# KiCad board Notecarrier-F.kicad_pcb
title: Notecarrier-F; date: 2023-07-18; rev: B; company: Blues Inc  (Copyright (c) 2023 Blues Inc); note: Company: Empirical.EE; note: Drawn by: Heath Raftery
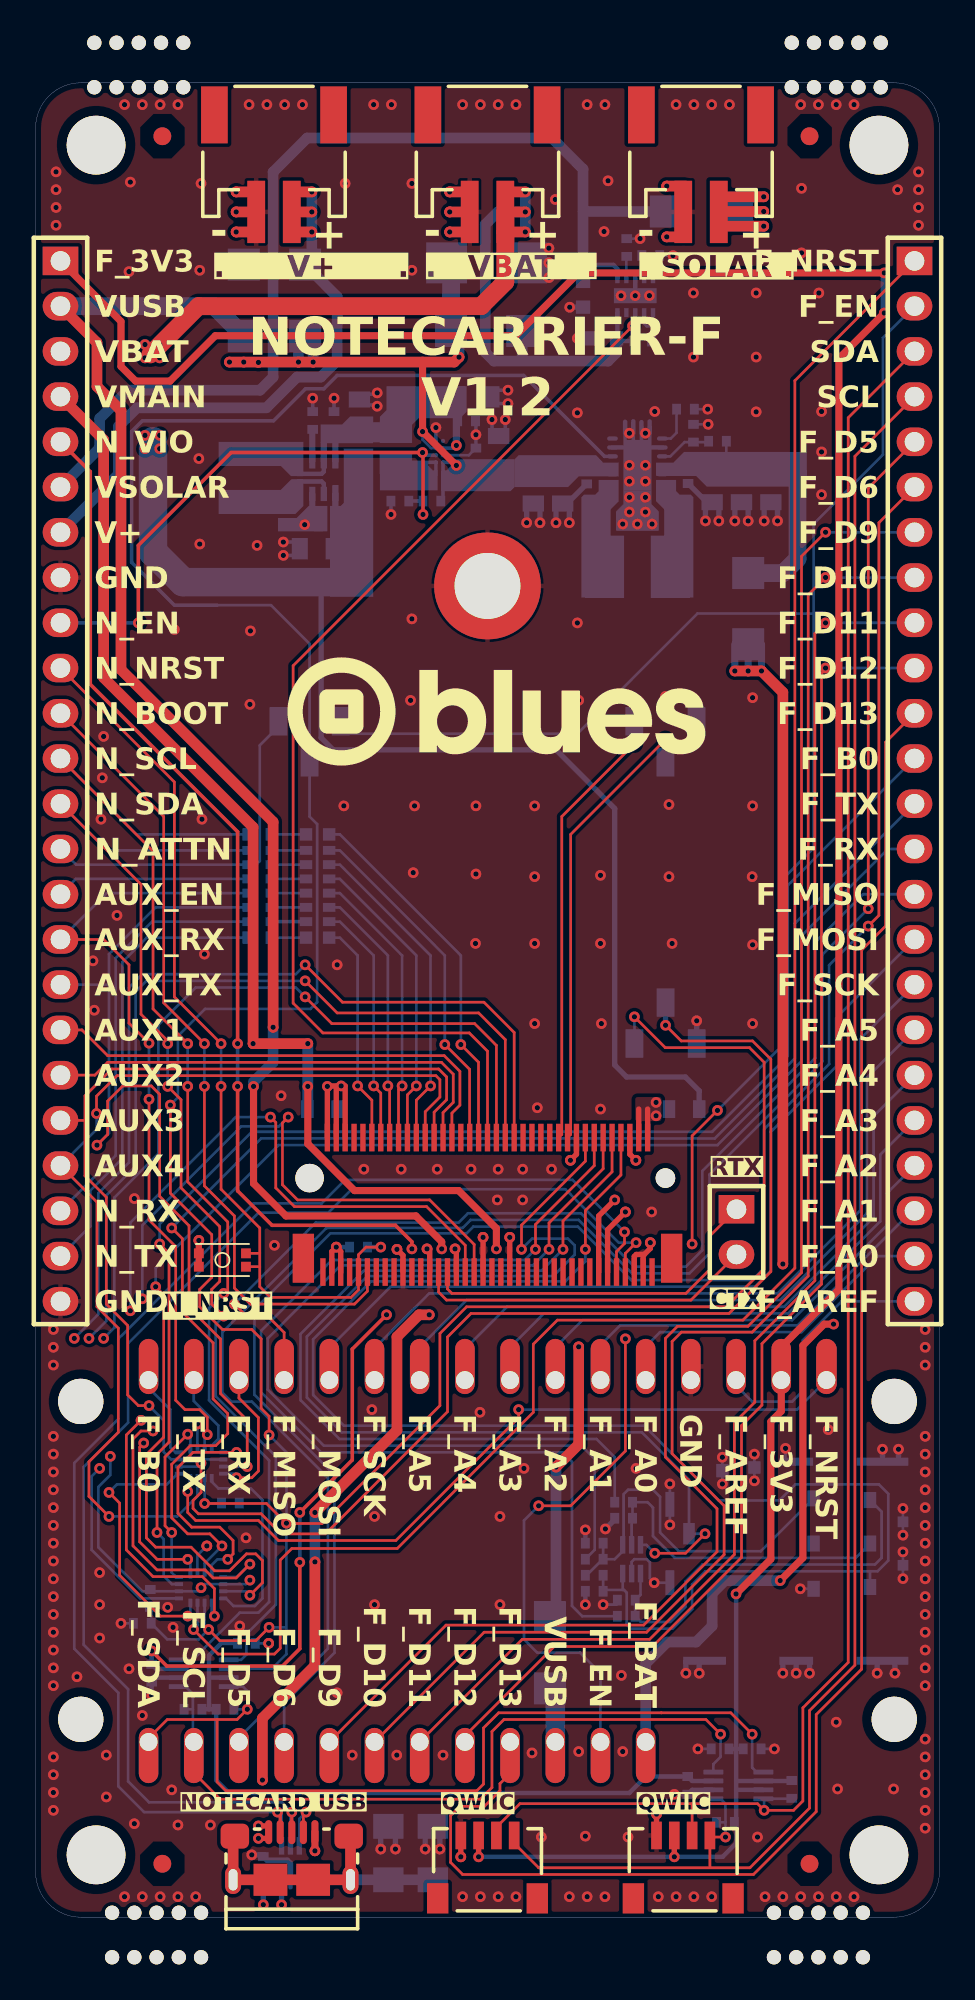
[diagram p0: board, top side]
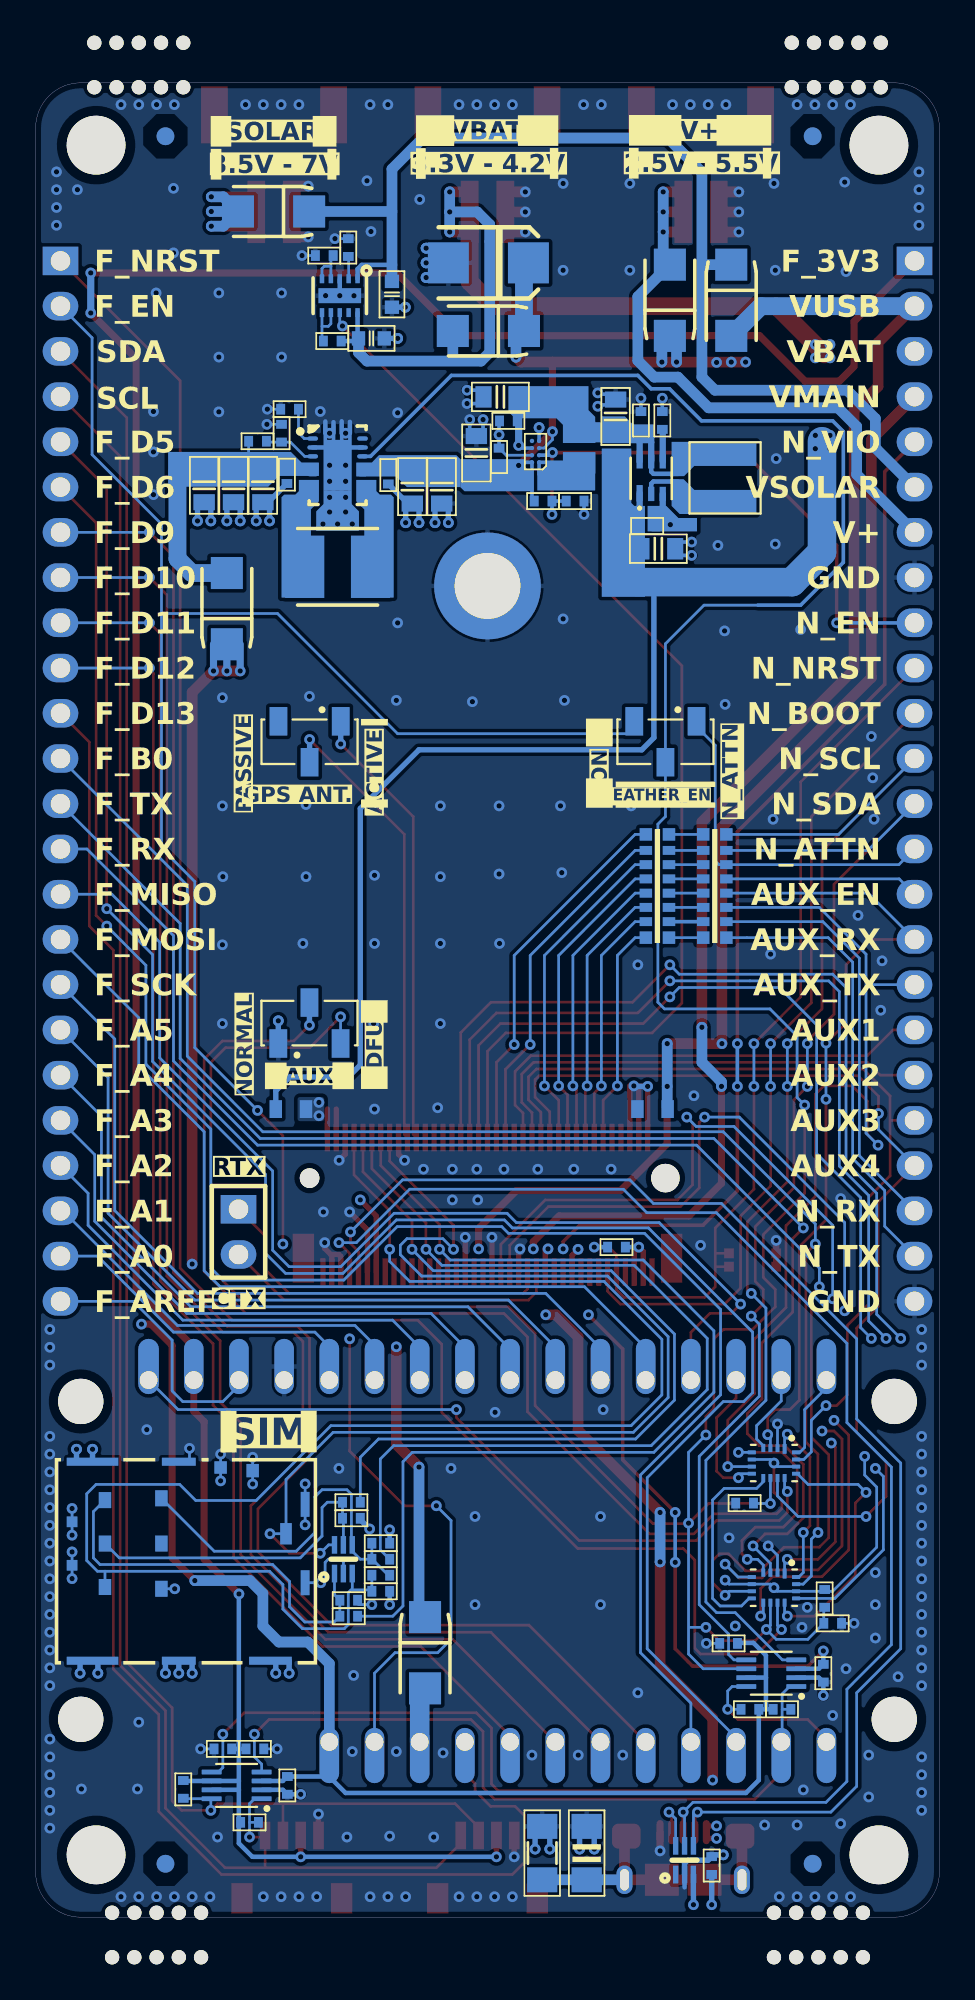
[diagram p1: board, bottom side, seen from below]

Outline 50.8 x 103 mm; copper layers: Top, In1.Cu, In2.Cu, Bottom. Coordinates in mm from the lower left corner of the outline.
Outline path: 0,100.46 arc(0.74,102.26) 2.54,103 48.26,103 arc(50.06,102.26) 50.8,100.46 50.8,2.54 arc(50.06,0.74) 48.26,0 2.54,0 arc(0.74,0.74) 0,2.54 0,100.46
Stack: Top 0.035mm / dielectric 0.1mm FR4-TG140 er 4.2 / In1.Cu 0.0175mm / dielectric 1.265mm FR4-TG140 er 4.2 / In2.Cu 0.0175mm / dielectric 0.1mm FR4-TG140 er 4.2 / Bottom 0.035mm

## Placement (name value [footprint] x y rotation side)
C1  1µF  [C-0603_Fv1.2]  30.77 91.12 90 bottom
C2  1µF  [C-0603_Fv1.2]  31.92 88.65 0 bottom
C3  0.1µF  [C-0402_Fv1.2]  12.8 2.9 90 bottom
C4  10nF/1000V  [C-1206_Fv1.2]  19.83 3.6 90 bottom
C5  0.1µF  [C-0402_Fv1.2]  31.4 18.3 0 bottom
C6  33pF  [C-0402_Fv1.2]  33.05 22.4 0 bottom
C7  33pF  [C-0402_Fv1.2]  33.2 17.8 0 bottom
C8  33pF  [C-0402_Fv1.2]  31.4 21 0 bottom
C9  0.1µF  [C-0402_Fv1.2]  18.15 37.62 0 bottom
C10  0.1µF  [C-0402_Fv1.2]  10.95 23.25 180 bottom
C11  0.1µF  [C-0402_Fv1.2]  36.65 7.4 270 bottom
C12  0.1µF  [C-0402_Fv1.2]  38.47 9.45 180 bottom
C13  0.1µF  [C-0402_Fv1.2]  6.52 13.7 270 bottom
C14  0.1µF  [C-0402_Fv1.2]  11.85 15.38 0 bottom
C15  0.1µF  [C-0402_Fv1.2]  6 16.5 0 bottom
C16  22µF  [C-0805_Fv1.2]  29.62 80.33 90 bottom
C17  22µF  [C-0805_Fv1.2]  27.97 80.33 90 bottom
C18  0.1µF  [C-0402_Fv1.2]  36.53 84.67 180 bottom
C19  0.1µF  [C-0402_Fv1.2]  16.42 78.11 0 bottom
C20  22µF  [C-0805_Fv1.2]  24.67 85.36 0 bottom
C21  22µF  [C-0805_Fv1.2]  18.2 84.27 270 bottom
C22  22µF  [C-0805_Fv1.2]  41.33 80.4 270 bottom
C23  22µF  [C-0805_Fv1.2]  38.03 80.4 270 bottom
C24  22µF  [C-0805_Fv1.2]  39.67 80.4 270 bottom
C25  0.1µF  [C-0402_Fv1.2]  36.67 81 90 bottom
C26  0.1µF  [C-0402_Fv1.2]  24.75 81.99 90 bottom
C27  22µF  [C-0805_Fv1.2]  26.03 82.22 270 bottom
C28  0.1µF  [C-0402_Fv1.2]  16.78 84.04 270 bottom
C29  22µF  [C-0805_Fv1.2]  15.8 76.84 0 bottom
C30  0.1µF  [C-0402_Fv1.2]  30.97 80.97 90 bottom
C31  0.1µF  [C-0402_Fv1.2]  20.47 79.52 180 bottom
C32  0.1µF  [C-0402_Fv1.2]  24.22 84.02 180 bottom
DS1  B360A-13-F  [DO-214AC SMA_Fv1.2]  15.15 90.79 270 bottom
DS2  B360A-13-F  [DO-214AC SMA_Fv1.2]  25.35 89.06 180 bottom
DS3  B360A-13-F  [DO-214AC SMA_Fv1.2]  11.7 90.79 90 bottom
DS4  B360A-13-F  [DO-214AC SMA_Fv1.2]  37.42 95.78 180 bottom
DS5  B360A-13-F  [DO-214AC SMA_Fv1.2]  40.05 73.47 270 bottom
DS6  B360A-13-F  [DO-214AC SMA_Fv1.2]  28.91 14.85 90 bottom
F1  F1.5A  [FS-0603_Fv1.2]  36.45 45.38 180 bottom
F2  046703.5NR  [FS-0603_Fv1.2]  16.12 45.38 0 bottom
FID1  TPS  [Fiducial mark 1mm_Fv1.2]  43.5 100 0 top
FID2  TPS  [Fiducial mark 1mm_Fv1.2]  7.12 100 0 top
FID3  TPS  [Fiducial mark 1mm_Fv1.2]  43.5 3 0 top
FID4  TPS  [Fiducial mark 1mm_Fv1.2]  7.12 3 180 top
FID5  TPS  [Fiducial mark 1mm_Fv1.2]  7.12 100 0 bottom
FID6  TPS  [Fiducial mark 1mm_Fv1.2]  43.5 100 0 bottom
FID7  TPS  [Fiducial mark 1mm_Fv1.2]  43.5 3 180 bottom
FID8  TPS  [Fiducial mark 1mm_Fv1.2]  7.12 3 180 bottom
G1  Logo  [Logo_23.5x6.1]  26.92 67.53 0 top
H1  MountingHole  [MountingHole_3.3mm_no-courtyard]  3.4 99.5 0 top
H2  MountingHole  [MountingHole_3.3mm_no-courtyard]  47.4 99.5 0 top
H3  MountingHole  [MountingHole_3.3mm_no-courtyard]  47.4 3.5 0 top
H4  MountingHole  [MountingHole_3.3mm_no-courtyard]  3.4 3.5 0 top
H5_1  MountingHole  [MountingHole_2.54mm_no-courtyard]  2.54 28.96 0 top
H5_2  MountingHole  [MountingHole_2.54mm_no-courtyard]  48.26 28.96 0 top
H5_3  MountingHole  [MountingHole_2.54mm_no-courtyard]  48.26 11.11 0 top
H5_4  MountingHole  [MountingHole_2.54mm_no-courtyard]  2.54 11.11 0 top
J1  S2BPHSM4TBLFSN  [JST S2B-PH-SM4-TB_Fv1.2]  13.4 100 0 top
J2  S2BPHSM4TBLFSN  [JST S2B-PH-SM4-TB_Fv1.2]  37.4 100 0 top
J3  S2BPHSM4TBLFSN  [JST S2B-PH-SM4-TB_Fv1.2]  25.4 100 0 top
J4  10118193-0001LF  [FCI USB 10118193-0001LF_Fv1.2]  14.4 2.15 180 top
J5  SF72S006VBDR2500  [J-NANOSIM-SF72S006VBA_Fv1.2]  42.85 20 270 bottom
J6  MDT420E01001  [J-75-0050-MOS-M2_Fv1.2]  25.4 40 180 top
J7  SM04B-SRSS-TB(LF)(SN)  [JST SM04B-SRSS-TB_Fv1.2]  25.4 2.56 180 top
J8  SM04B-SRSS-TB(LF)(SN)  [JST SM04B-SRSS-TB_Fv1.2]  36.4 2.56 180 top
J9  CES-124-01-S-S  [CES-124-01-S-S_Fv1.2]  49.4 93 0 top
J10  CES-124-01-S-S  [CES-124-01-S-S_Fv1.2]  1.4 93 0 top
J11  CES-102-01-S-S  [CONN_02_Fv1.2]  39.39 39.75 0 top
L1  2.2µH  [IND_XFL4020-222MEC_Fv1.2]  12.05 80.81 90 bottom
L2  1.5uH  [VCHA042A-1R5MS6_Fv1.2]  33.83 75.83 180 bottom
L3  2.2µH  [1285AS-H-2R2M=P2-INDC2016X100N_Fv1.2]  20.25 82.52 270 bottom
MOD2  Feather Module  [BLUES_WIRELESS_SWAN_2-54_HEADERS_Fv1.2]  50.8 31.43 180 top
MODL1  CES-116-01-L-S  [16PIN_254MM_Fv1.2]  44.45 30.16 180 top
MODR1  CES-112-01-L-S  [12PIN_254MM_Fv1.2]  34.29 9.84 180 top
OBJ1  9774025151R  [DIST-WASMSIM0250_Fv1.2]  25.4 74.75 0 top
R1  100R  [RESCAXS80P640X160X50-16N_Fv1.2]  15.85 57.9 90 bottom
R2  10k  [R-0402_Fv1.2]  34.12 88.5 180 bottom
R3  499R  [R-0402_Fv1.2]  33.22 93.75 270 bottom
R4  10k  [R-0402_Fv1.2]  34.58 93.3 180 bottom
R5  1M  [R-1206_Fv1.2]  22.33 3.6 90 bottom
R6  15k  [R-0402_Fv1.2]  31.4 19.2 0 bottom
R7  22R  [R-0402_Fv1.2]  33.05 23.3 0 bottom
R8  22R  [R-0402_Fv1.2]  33.2 16.9 0 bottom
R9  22R  [R-0402_Fv1.2]  31.4 20.1 0 bottom
R10  10k  [R-0402_Fv1.2]  42.5 7.18 90 bottom
R11  10k  [R-0402_Fv1.2]  10.65 11.68 180 bottom
R12  10k  [R-0402_Fv1.2]  8.85 11.68 0 bottom
R13  1.1M  [R-0402_Fv1.2]  38.33 82.88 0 bottom
R14  180k  [R-0402_Fv1.2]  36.97 83.33 270 bottom
R15  10k  [R-0402_Fv1.2]  38.78 5.32 180 bottom
R16  10k  [R-0402_Fv1.2]  40.28 9.45 0 bottom
R17  82k  [R-0402_Fv1.2]  15.58 84.04 90 bottom
R18  100k  [R-0402_Fv1.2]  6.45 17.9 270 bottom
R19  10M  [R-0402_Fv1.2]  22.28 79.52 0 bottom
R20  100R  [RESCAXS80P640X160X50-16N_Fv1.2]  12.62 57.9 90 bottom
REF**  -  [weird-no-fill-via_Fv1.2]  9.62 20.84 0 top
REF**#2  -  [weird-no-fill-via_Fv1.2]  11.27 94.62 0 top
REF**#3  -  [weird-no-fill-via_Fv1.2]  20.31 37.5 0 top
REF**#4  -  [weird-no-fill-via_Fv1.2]  13.1 15.38 0 top
REF**#5  -  [weird-no-fill-via_Fv1.2]  15.7 3.72 0 top
REF**#6  -  [weird-no-fill-via_Fv1.2]  30.06 42.5 0 top
REF**#7  mouse-bite-5x0.8P1.25  [mouse-bite-5x0.8P1.25_Fv1.2]  41.25 -2 0 top
REF**#8  -  [weird-no-fill-via_Fv1.2]  16.9 37.62 0 top
REF**#9  -  [weird-no-fill-via_Fv1.2]  25.15 38.18 0 top
REF**#10  -  [weird-no-fill-via_Fv1.2]  35.47 97.2 0 top
REF**#11  -  [weird-no-fill-via_Fv1.2]  33.15 39.6 0 top
REF**#12  -  [weird-no-fill-via_Fv1.2]  9.17 38 0 top
REF**#13  -  [weird-no-fill-via_Fv1.2]  11.27 96.88 0 top
REF**#14  mouse-bite-5x0.8P1.25  [mouse-bite-5x0.8P1.25_Fv1.2]  3.05 103 0 top
REF**#15  -  [weird-no-fill-via_Fv1.2]  33.74 42.5 0 top
REF**#16  -  [weird-no-fill-via_Fv1.2]  22 37.53 0 top
REF**#17  mouse-bite-5x0.8P1.25  [mouse-bite-5x0.8P1.25_Fv1.2]  42.25 103 0 top
REF**#18  -  [weird-no-fill-via_Fv1.2]  23.27 95.75 0 top
REF**#19  -  [weird-no-fill-via_Fv1.2]  11.27 95.75 0 top
REF**#20  -  [weird-no-fill-via_Fv1.2]  23.58 37.53 0 top
REF**#21  -  [weird-no-fill-via_Fv1.2]  34.9 5.79 0 top
REF**#22  -  [weird-no-fill-via_Fv1.2]  34.55 37.88 0 top
REF**#23  -  [weird-no-fill-via_Fv1.2]  35.47 94.35 0 top
REF**#24  -  [weird-no-fill-via_Fv1.2]  23.27 94.62 0 top
REF**#25  -  [weird-no-fill-via_Fv1.2]  26.65 38.18 0 top
REF**#26  mouse-bite-5x0.8P1.25  [mouse-bite-5x0.8P1.25_Fv1.2]  4.05 -2 0 top
REF**#27  -  [weird-no-fill-via_Fv1.2]  9.1 27.69 0 top
REF**#28  -  [weird-no-fill-via_Fv1.2]  23.9 3.39 0 top
REF**#29  -  [weird-no-fill-via_Fv1.2]  23.27 96.88 0 top
REF**#30  -  [weird-no-fill-via_Fv1.2]  22.72 3.82 180 bottom
REF**#31  -  [weird-no-fill-via_Fv1.2]  39.3 78.4 180 bottom
REF**#32  -  [weird-no-fill-via_Fv1.2]  47.6 26.28 180 bottom
REF**#33  -  [weird-no-fill-via_Fv1.2]  42.75 13.7 180 bottom
REF**#34  -  [weird-no-fill-via_Fv1.2]  36.55 13.7 180 bottom
REF**#35  -  [weird-no-fill-via_Fv1.2]  21.9 3.82 180 bottom
REF**#36  -  [weird-no-fill-via_Fv1.2]  28.85 92.89 180 bottom
REF**#37  -  [weird-no-fill-via_Fv1.2]  29.25 78.3 180 bottom
REF**#38  -  [weird-no-fill-via_Fv1.2]  28.85 93.72 180 bottom
REF**#39  -  [weird-no-fill-via_Fv1.2]  48.5 26.28 180 bottom
REF**#40  -  [weird-no-fill-via_Fv1.2]  20.22 3.82 180 bottom
REF**#41  -  [weird-no-fill-via_Fv1.2]  30.45 88.65 180 bottom
REF**#42  -  [weird-no-fill-via_Fv1.2]  37.3 13.7 180 bottom
REF**#43  -  [weird-no-fill-via_Fv1.2]  37.65 78.4 180 bottom
REF**#44  -  [weird-no-fill-via_Fv1.2]  27.6 78.3 180 bottom
REF**#45  -  [weird-no-fill-via_Fv1.2]  48.3 13.7 180 bottom
REF**#46  -  [weird-no-fill-via_Fv1.2]  22.5 83.64 180 bottom
REF**#47  -  [weird-no-fill-via_Fv1.2]  37.16 50.33 180 bottom
REF**#48  -  [weird-no-fill-via_Fv1.2]  43.5 13.7 180 bottom
REF**#49  -  [weird-no-fill-via_Fv1.2]  47.3 13.7 180 bottom
REF**#50  -  [weird-no-fill-via_Fv1.2]  19.4 3.82 180 bottom
REF**#51  -  [weird-no-fill-via_Fv1.2]  40.05 78.4 180 bottom
REF**#52  -  [weird-no-fill-via_Fv1.2]  30 78.3 180 bottom
REF**#53  -  [weird-no-fill-via_Fv1.2]  30.02 90.4 180 bottom
REF**#54  -  [weird-no-fill-via_Fv1.2]  28.85 92.06 180 bottom
REF**#55  -  [weird-no-fill-via_Fv1.2]  42 13.7 180 bottom
REF**#56  -  [weird-no-fill-via_Fv1.2]  28.35 78.3 180 bottom
REF**#57  -  [weird-no-fill-via_Fv1.2]  40.95 78.4 180 bottom
REF**#58  -  [weird-no-fill-via_Fv1.2]  38.4 78.4 180 bottom
REF**#59  -  [weird-no-fill-via_Fv1.2]  12.15 3.5 180 bottom
REF**#60  -  [weird-no-fill-via_Fv1.2]  41.7 78.4 180 bottom
SW1  CJS-1200TA  [SW_CJS-1200TA_Fv1.2]  35.4 66 0 bottom
SW2  EVP-BB2A9B000  [SW_EVP-BB2A9B000_Fv1.2]  10.5 36.9 180 top
SW3  CJS-1200TA  [SW_CJS-1200TA_Fv1.2]  15.4 66 0 bottom
SW4  CJS-1200TA  [SW_CJS-1200TA_Fv1.2]  35.41 50.21 180 bottom
TVS1  SM6T6V8A  [SMB_Fv1.2]  25.35 92.89 180 bottom
TVS2  PESD5V0L5UV,125  [SOT666_Fv1.2]  33.5 20.1 180 bottom
TVS3  PESD5V0L5UV,125  [SOT666_Fv1.2]  14.33 3.2 180 bottom
U1  TXS0102DCUR  [SOP50P310X90-8N_Fv1.2]  39.5 7.4 0 bottom
U2  BQ24210DQCT  [WSON10-EXP_Fv1.2]  33.7 91.05 270 bottom
U3  TPS63020DSJR  [TI PVSON-14 DSJ_Fv1.2]  33.83 81.53 180 bottom
U4  TXS0102DCUR  [SOP50P310X90-8N_Fv1.2]  9.45 13.7 0 bottom
U5  DGQ2788AEN-T1-GE4  [QFN40P260X180X60-16N_Fv1.2]  9.3 18.5 270 bottom
U6  DGQ2788AEN-T1-GE4  [QFN40P260X180X60-16N_Fv1.2]  9.3 25.5 270 bottom
U7  MAX17225ELT+  [MAX17225ELT+UDFN_Fv1.2]  16.85 79.92 90 bottom
U8  TPS62748YFPT  [TPS62748YFPT-DSBGA4x2_Fv1.2]  22.5 81.69 0 bottom

## Library data of the parts
C1 C2 = -: Description: Unpolarized capacitor; Datasheet 2: https://datasheet.octopart.com/0603YC105KAT2A-KYOCERA-AVX-datasheet-158983632.pdf; Design Description: Capacitor ceramic 1u ±10% X5R 25V; Design MPN: CC0603KRX5R8BB105; Design Manufacturer: Yageo; Design Order Code: 311-1445-1-ND; Design Supplier: Digi-Key; MPN: CC0603KRX7R7BB105; MPN 2: 0603YC105KAT2A; Manufacturer: Yageo; Manufacturer 2: AVX; Mfr Description: 0603 1 uF 16 V ±10 % Tolerance X7R SMT Multilayer Ceramic Capacitor; Mfr Description 2: 0603 1000nF Ceramic Multilayer Capacitor; 16 VDC; +125degC; X7R Dielec; +/-10%
C3 C5 C9-C15 C18 C19 C25 C26 C28 C30-C32 = -: Description: Unpolarized capacitor; Datasheet 2: http://datasheet.octopart.com/CL05B104KO5NNNC-Samsung-Electro-Mechanics-datasheet-81461623.pdf; Datasheet 3: https://datasheet.octopart.com/GRM155R71C104KA88D-Murata-datasheet-6387203.pdf; Design Description: Capacitor ceramic 100n ±10% X7R 16V 0402; Design MPN: N/A; Design Manufacturer: N/A; Design Order Code: 490-3261-1-ND; Design Supplier: Digi-Key; MPN: CC0402KRX7R7BB104; MPN 2: CL05B104KO5NNNC; MPN 3: GRM155R71C104KA88D; Manufacturer: Yageo; Manufacturer 2: Samsung; Manufacturer 3: Murata; Mfr Description: 0402 0.1 uF 16 V ±10 % Tolerance X7R SMT Multilayer Ceramic Capacitor; Mfr Description 2: Ceramic capacitor SMD-0402 100nF /16V X7R# K +-10%, Samsung, RoHS; Mfr Description 3: Multilayer Ceramic Capacitor, 0.1 uF, 16 V, ± 10%, X7R, 0402 [1005 Metric]
C4 = -: Description: Unpolarized capacitor; Datasheet 2: http://datasheet.octopart.com/1206B103K102CT-Walsin-Technologies-datasheet-28813178.pdf; Datasheet 3: http://datasheet.octopart.com/CS1206KKX7RCBB103-Yageo-datasheet-140495658.pdf; Design Description: Capacitor ceramic 10n ±10% X7R 1000V 1206; Design MPN: CS1206KKX7RCBB103; Design Manufacturer: YAGEO; Design Order Code: 311-3578-1-ND; Design Supplier: Digi-Key; MPN: C1206C103KDRACTU; MPN 2: 1206B103K102CT; MPN 3: CS1206KKX7RCBB103; Manufacturer: KEMET; Manufacturer 2: Walsin Technologies; Manufacturer 3: Yageo; Mfr Description: Cap Ceramic 0.01uF 1000V X7R 10% Pad SMD 1206 125C Automotive T/R; Mfr Description 2: Chip Capacitor 1206 MLCC X7R 0.01 uF+/- 10% 1K V T&R MH; Mfr Description 3: Cap Ceramic 0.01uF 1000V X7R 10% Pad SMD 1206 Soft Termination 125C T/R
C6-C8 = -: Description: Unpolarized capacitor; Datasheet 2: http://datasheet.octopart.com/CC0402JRNPO9BN330-Yageo-datasheet-10406438.pdf; Datasheet 3: https://datasheet.octopart.com/04025A330JAT2A-AVX-datasheet-9883399.pdf; Design Description: Capacitor ceramic 33p ±5% C0G 50V 0402; Design MPN: N/A; Design Manufacturer: N/A; Design Order Code: 1276-1272-1-ND; Design Supplier: Digi-Key; MPN: CL05C330JB5NNNC; MPN 2: CC0402JRNPO9BN330; MPN 3: 04025A330JAT2A; Manufacturer: Samsung; Manufacturer 2: Yageo; Manufacturer 3: AVX; Mfr Description: Ceramic capacitor SMD-0402 33pF /50V C0G# J +-5%, Samsung, RoHS; Mfr Description 2: 0402 33 pF 50 V ±5 % Tolerance NP0 SMT Multilayer Ceramic Capacitor; Mfr Description 3: Multilayer Ceramic Capacitor, 33 pF, 50 V, ± 5%, C0G (NP0), 0402 [1005 Metric]
C16 C17 C20-C24 C27 C29 = -: Description: Unpolarized capacitor; Design Description: Capacitor ceramic 22u ±10% X5R 16V 0805; Design MPN: N/A; Design Manufacturer: N/A; MPN: CL21A226MOQNNNE; Manufacturer: Samsung; Mfr Description: Cap Ceramic 22uF 16V X5R 20% SMD 0805 85°C Embossed Plastic T/R
DS1-DS6 = -: Description: Schottky diode, filled shape, pin assignments swapped to suit DO214AA SMB footprint; Design Description: Schottky Diode B360-13-F 60V/3A; Design Manufacturer: Diodes Inc; Design Order Code: B360A-FDICT-ND; Design Supplier: Digi-Key; Manufacturer: Diodes Inc.; Mfr Description: Rectifier Diode, Schottky, 1 Phase, 1 Element, 3A, 60V V(RRM), Silicon, DO-214AC
F1 = -: Description: Fuse; Design Description: FUSIBILE RAPIDO 1.5A 32V 0603 SF-0603F150-2 BOURNS SMT; Design MPN: SF-0603F150-2; Design Manufacturer: Bourns Inc.; Design Order Code: SF-0603F150-2CT-ND; Design Supplier: Digi-Key; MPN: SF-0603F150-2; Manufacturer: Bourns; Mfr Description: FUSE BOARD MOUNT 1.5A 32VDC 0603 / SF-0603F Series - Fast Acting Surface Mount Fuses
F2 = -: Description: Fuse; Datasheet 2: http://datasheet.octopart.com/046703.5NR-Littelfuse-datasheet-8360650.pdf; Datasheet 3: http://datasheet.octopart.com/049403.5NRHF-Littelfuse-datasheet-33035746.pdf; Datasheet 4: https://datasheet.octopart.com/0603SFV350F-32-2-Littelfuse-datasheet-97156839.pdf; Design Description: Fuse Chip Very Fast Acting 3.5A 32V SMD Solder Pad 0603 T/R CSA; Design Manufacturer: Littelfuse Inc.; Design Order Code: F1400CT-ND; Design Supplier: Digi-Key; MPN: SF-0603FP350M-2; MPN 3: 049403.5NRHF; MPN 4: 0603SFV350F/32-2; Manufacturer: Bourns; Manufacturer 2: Littelfuse; Manufacturer 3: Littelfuse; Manufacturer 4: Littelfuse; Mfr Description: Fuse Chip Fast Acting 3.5A 32V SMD Solder Pad 0603 1.6 X 0.8 X 0.3mm Ceramic T/R; Mfr Description 2: Fuse Chip Very Fast Acting 3.5A 32V SMD Solder Pad 0603 T/R CSA; Mfr Description 3: 494 Series - SlimLine Lead-Free 0603 Fast-Acting Thin-Film Fuse, 3.5 A, 32 VAC 32 VDC, RoHS; Mfr Description 4: 0603SFV Series - 0603 Size Lead-Free, Halogen Free, Very Fast-Acting Chip Fuse, 3.5 A, 32 VDC, RoHS
FID1-FID8 = -: Description: Fiducial Marker
G1 = -: Description: Blues Wireless logo; Sim.Enable: 0
H1-H4 H5_1-H5_4 = -: Description: Mounting Hole without connection
J1-J3 = -: Description: Generic connector, single row, 01x02, script generated (kicad-library-utils/schlib/autogen/connector/); Datasheet 2: https://www.jst-mfg.com/product/pdf/eng/ePH.pdf; Datasheet 3: https://www.adafruit.com/product/1769; Design Description: PH SMT SIDE ENTRY HDR 2W; Design Manufacturer: JST; Design Order Code: 455-1749-1-ND; Design Supplier: Digi-Key; MPN: 20404; MPN 2: S2B-PH-SM4-K-TBT(LF)(SN); MPN 3: 1769; Manufacturer: 4UCON; Manufacturer 2: JST Sales America Inc.; Manufacturer 3: Adafruit; Mfr Description: 2.0MM JST PH SERIES EQUIVALENT WAFER 02P SMT 90° WITHOUT POST BLACK INSULATOR TAPE&REEL 1000PCS/REEL MOQ=20REEL RoHS; Mfr Description 2: Connector Header Surface Mount, Right Angle 2 position 0.079" (2.00mm); Mfr Description 3: JST-PH 2-Pin SMT Right Angle Connector
J4 = -: Description: USB Micro Type B connector; Design Description: CONN RCPT USB2.0 MICRO B SMD R/A; Design Manufacturer: Amphenol ICC (FCI); Design Order Code: 609-4616-2-ND; Design Supplier: Digi-Key; Manufacturer: Amphenol ICC / FCI; Mfr Description: FCI Right Angle Surface Mount Mount Female USB Connector; 100 V ac; 1.8A
J5 = -: Description: Nano-SIM Card (4FF) connector with Detect Switch; Design Description: CONN. NANOSIM 8P F/90° PUSH-PUSH SF72S006VBAR2500 JAE ELECTRONICS SMT; Design Manufacturer: JAE Electronics; Design Order Code: 670-2967-1-ND; Design Supplier: Digi-Key; MPN: SF72S006VBAR2500; Manufacturer: JAE Electronics; Manufacturer 2: JAE Electronics; Mfr Description: SF72 series; nano-SIM card connector; normail open type; 6 connector; Mfr Description 2: Cut Tape - Nano Sim Card Connector
J6 = -: Description: Same as MDT420E01001 but some NC pins given names.; Design Description: CONN. M.2 75P M/90° P=0.5 MDT420E01001 AMPHENOL SMT; Design MPN: MDT420E03001; Design Manufacturer: Amphenol ICC (FCI); Design Order Code: MDT420E03001CT-ND; Design Supplier: Digi-Key; Manufacturer: Amphenol ICC / FCI; Mfr Description: Pcie M.2 Connectors, Storage And Server Connector, P 0.5mm, H 4.2mm, Key E, 30 Mu in Au Plating
J7 J8 = -: Description: HEADER JST SH 4P M SIDE ENTRY QWIIC P=1.0mm SMT NATURAL; Design Description: CONN HEADER SH 4POS SIDE 1MM TIN; Design Manufacturer: JST Sales America Inc.; Design Order Code: 455-1804-1-ND; Design Supplier: Digi-Key; Manufacturer: JST; Mfr Description: Connector Header, Side Entry, SR Series, 4 Position, 1.00mm, 50V, Surface Mount, Tin, Natural
J9 J10 = -: Description: Generic connector, single row, 01x24, script generated (kicad-library-utils/schlib/autogen/connector/); Design Description: 24x1 0.1" pitch half height female header; Design Manufacturer: Samtec Inc.; Design Order Code: SAM1085-24-ND; Design Supplier: Digi-Key; MPN: 12736; Manufacturer: 4UCON; Mfr Description: 2.54 FEMALE HEADER DIP STRAIGHT HEIGHT=5.0MM 1X24PIN BLACK GOLD FLASH WITHSTAND HIGH TEMPERATURE TUBE MOQ=1000PC RoHS
J11 = -: Description: Generic connector, single row, 01x02, script generated (kicad-library-utils/schlib/autogen/connector/); Design Description: 0,1" 2 PIN Header; Design Manufacturer: Samtec Inc.; Design Order Code: SAM1085-02-ND; Design Supplier: Digi-Key
L1 = -: Description: Inductor; Design Description: Power Inductors - SMD 2.2Uh Shld 8A 23.5mOhms AECQ2; Design MPN: XFL4020-222MEC; Design Manufacturer: Coilcraft; Design Order Code: 994-XFL4020-222MEC; Design Supplier: Mouser; MPN: XFL4020-222MEC; Manufacturer: Coilcraft; Mfr Description: Inductor Power Shielded Wirewound 2.2uH 20% 1MHz 8A 0.0235Ohm DCR 1515 Automotive T/R
L2 = -: Description: Inductor; Design Description: Fixed Ind 1.5UH 7.3A 15.4 Mohm; Design MPN: VCHA042A-1R5MS6; Design Manufacturer: Cyntec; Design Order Code: 2037-VCHA042A-1R5MS6CT-ND; Design Supplier: Digi-Key; MPN: VCHA042A-1R5MS6; Manufacturer: Cyntec; Mfr Description: Fixed Ind 1.5UH 7.3A 15.4MOHM Sm
L3 = -: Description: Inductor; Design Description: FIXED IND 2.2UH 1.5A 204MOHM SMD; Design MPN: 1285AS-H-2R2M=P2; Design Manufacturer: Murata Electronics; Design Order Code: 490-10600-1-ND; Design Supplier: Digi-Key; MPN: 1285AS-H-2R2M=P2; Manufacturer: Murata; Mfr Description: 2.2µH Shielded Wirewound Inductor 1.5A 204mOhm Max 0805 (2012 Metric)
MOD2 = -: Description: Typical Adafruit Feather Pinout
MODL1 = -: Description: Generic connector, single row, 01x16, script generated (kicad-library-utils/schlib/autogen/connector/); Datasheet 2: http://www.4uconnector.com/online/object/4udrawing/00542.pdf; Design Description: Socket 16-Pin, 0.100 in; Design Manufacturer: Samtec Inc.; Design Order Code: CES-116-01-L-S-ND; Design Supplier: Digi-Key; MPN: PPTC161LFBN-RC; MPN 2: 00542; Manufacturer: Sullins; Manufacturer 2: 4UCON; Mfr Description: Sullins Connector Solutions PPTC161LFBN-RC / Conn Header Female 16POS .1"" T; Mfr Description 2: 2.54 FEMALE HEADER DIP 180° HEIGHT=8.5MM 1X16PIN GOLD FLASH WITHSTAND HIGH TEMPERATURE TRAY MOQ=1000PC RoHS
MODR1 = -: Description: Generic connector, single row, 01x12, script generated (kicad-library-utils/schlib/autogen/connector/); Datasheet 2: http://www.4uconnector.com/online/object/4udrawing/00536.pdf; Design Description: Socket 12-Pin, 0.100 in; Design Manufacturer: Samtec Inc.; Design Order Code: 612-CES-112-01-L-S-ND; Design Supplier: Digi-Key; MPN: PPTC121LFBN-RC; MPN 2: 00536; Manufacturer: Sullins; Manufacturer 2: 4UCON; Mfr Description: Conn Socket Strip F 12 POS 2.54mm Solder ST Thru-Hole; Mfr Description 2: 2.54 FEMALE HEADER DIP 180° HEIGHT=8.5MM 1X12PIN GOLD FLASH WITHSTAND HIGH TEMPERATURE MOQ=1000PC RoHS
OBJ1 = -: Description: SPACER ROUND STANDOFF STEEL M2.5x0.45 H=2.5mm SMT; Design Description: DISTANZ. CIL. METALLO 5.1X2.5 9774025151R W.E SMT; Design Manufacturer: Würth Elektronik; Design Order Code: 732-7078-1-ND; Design Supplier: Digi-Key; Manufacturer: Würth Elektronik; Mfr Description: RND STNDFF M2.5X0.45 STEEL 2.5MM
R1 R20 = -: Description: 8 resistor array, small symbol; Design Description: Resistor array 100R 5% 2506; Design MPN: 742C163101JP; Design Manufacturer: CTS Resistor Products; Design Order Code: 742C163101JPCT-ND; Design Supplier: Digi-Key; MPN: 742C163101JP; Manufacturer: CTS Components; Mfr Description: Res Thick Film Array 100 Ohm 5% 0.5W(1/2W) ±200ppm/C ISOL 16-Pin 2506(8 X 0603) Concave SMD Medical T/R
R2 R4 R10-R12 R15 R16 = -: Description: Resistor; Datasheet 2: http://datasheet.octopart.com/RC0402FR-0710KL-Yageo-datasheet-10408619.pdf; Datasheet 3: https://datasheet.octopart.com/ERJ-2RKF1002X-Panasonic-datasheet-13266541.pdf; Design Description: Resistor 10k ±1% 0402; Design MPN: N/A; Design Manufacturer: N/A; Design Order Code: 311-10.0KLRCT-ND; Design Supplier: Digi-Key; MPN: RC1005F103CS; MPN 2: RC0402FR-0710KL; MPN 3: ERJ-2RKF1002X; Manufacturer: Samsung; Manufacturer 2: Yageo; Manufacturer 3: Panasonic; Mfr Description: Res Thick Film 0402 10K Ohm 1% 1/16W ±100ppm/°C Molded SMD SMD T/R; Mfr Description 2: Res General Purpose Thick Film 0402 10K Ohm 1% 1/16W ±100ppm/°C Molded SMD Paper T/R; Mfr Description 3: Res Thick Film 0402 10K Ohm 1% 1/10W ±100ppm/°C Molded SMD Punched Carrier T/R